# Altium PCB TAUV-Regulated_Power_board.PcbDoc (part 2 of 2)
Units mil, origin at the board's own origin, x right, y up, seen from the top; angles counter-clockwise.
Board outline 5292.66 x 3417.5 mil, 6 copper layers (1-Top, 2-GND1, 3-Signal1, 4-Hi_PWR, 5-GND2, 6-Bottom), stack 32.112 mil thick; 197 components, 89 nets, 741 pads, 274 vias.
Unrouted connection lines stored in the file: 4.
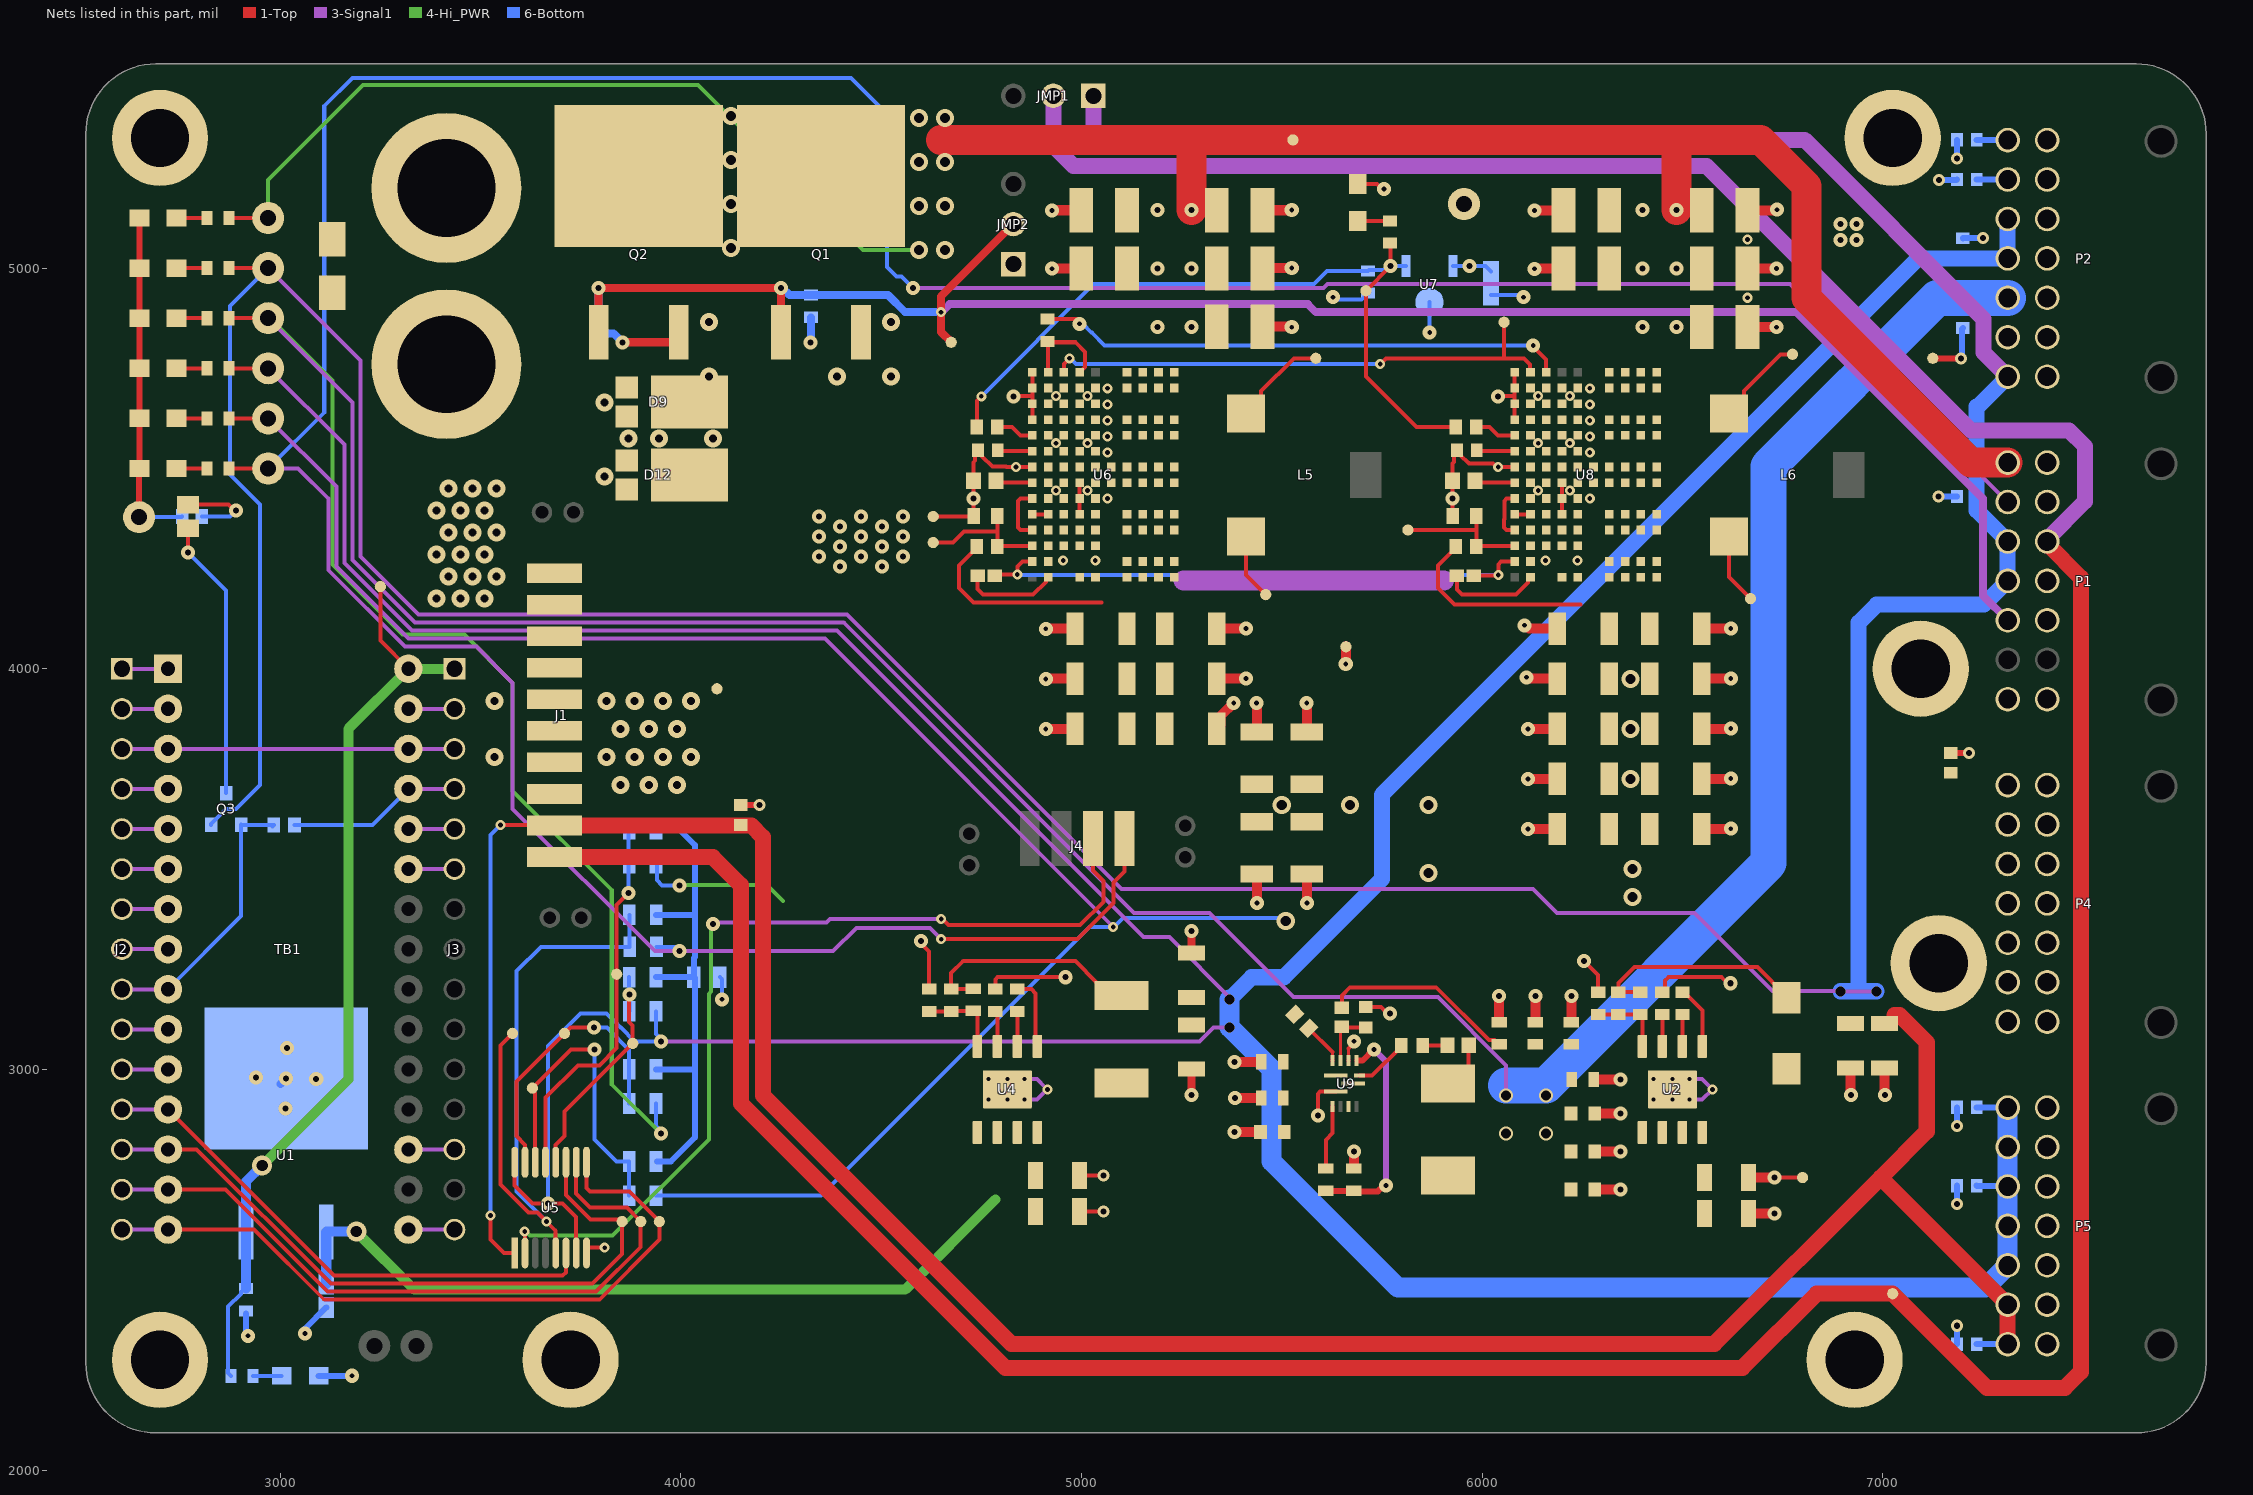
[diagram p6: the nets of this part, all layers, seen from the top]

## Via types
v1: diameter 35, hole 15, 1-Top to 6-Bottom, 82 vias
v2: diameter 25, hole 12, 1-Top to 6-Bottom, 48 vias
v3: diameter 35, hole 12, 1-Top to 6-Bottom, 44 vias
v4: diameter 45, hole 20, 1-Top to 6-Bottom, 44 vias
v5: diameter 45, hole 25, 1-Top to 6-Bottom, 22 vias
v6: diameter 20, hole 10, 1-Top to 6-Bottom, 12 vias
v7: diameter 30, hole 15, 1-Top to 6-Bottom, 12 vias
v8: diameter 25, hole 25, 1-Top to 6-Bottom, 4 vias
v9: diameter 35, hole 25, 1-Top to 6-Bottom, 4 vias
v10: diameter 50, hole 28, 1-Top to 6-Bottom, 2 vias

## Nets (pads, with @x,y where several pads share a name; then routed paths per layer and width w, separated by ;. In a path a pad name is that pad's centre, name@x,y a point inside that pad or via, vN(x,y) a via of type N, cw(c..) or ccw(c..) an arc to the next point about the centre after c; other vN are vias at no path point) (continued)
Ard_A6: J3.06 TB1.25 | length 115
  3-Signal1 w10: TB1.25@3320,3500 J3.06@3435,3500
Ard_A7: J3.05 TB1.26 | length 115
  3-Signal1 w10: TB1.26@3320,3600 J3.05@3435,3600
Ard_D0/RX: J2.02 TB1.2 | length 110
  3-Signal1 w10: J2.02@2610,3900 TB1.2@2720,3900
Ard_D1/TX: J2.01 TB1.1 | length 110
  3-Signal1 w10: J2.01@2610,4000 TB1.1@2720,4000
Ard_D2: J2.05 TB1.5 | length 110
  3-Signal1 w10: J2.05@2610,3600 TB1.5@2720,3600
Ard_D3: J2.06 TB1.6 | length 110
  3-Signal1 w10: J2.06@2610,3500 TB1.6@2720,3500
Ard_D4: J2.07 TB1.7 | length 110
  3-Signal1 w10: J2.07@2610,3400 TB1.7@2720,3400
Ard_D5: J2.08 TB1.8 | length 110
  3-Signal1 w10: J2.08@2610,3300 TB1.8@2720,3300
Ard_D6: J2.09 Q3.1 R26.1 TB1.9 | length 682.9
  3-Signal1 w10: J2.09@2610,3200 TB1.9@2720,3200
  6-Bottom w10: TB1.9@2720,3200 2902.4,3382.4 Q3.1@2902.4,3610.63 2903.03,3610 R26.1@2984.41,3610 R26.1@2981.24,3606.83
Ard_D7: J2.10 TB1.10 | length 110
  3-Signal1 w10: J2.10@2610,3100 TB1.10@2720,3100
Ard_D8: J2.11 TB1.11 | length 110
  3-Signal1 w10: J2.11@2610,3000 TB1.11@2720,3000
Ard_D13: J3.15 TB1.16 | length 115
  3-Signal1 w10: TB1.16@3320,2600 J3.15@3435,2600
Ard_RESET: J2.03 J3.03 TB1.3 TB1.28 | length 825
  3-Signal1 w10: J2.03@2610,3800 TB1.3@2720,3800 TB1.28@3320,3800 J3.03@3435,3800
EAO: C40.2 C58.2 U6.A13 U8.A13 | length 1452.5
  1-Top w10: C40.2@4783.7,4232.27 4786.43,4235 v2(4840,4235) 4840,4255 4852.52,4267.52 U6.A13@4877.52,4267.52 ; C58.2@5979.44,4232.27 v2@6040.63,4232.27 ; v2(6040.63,4234.12) 6040.63,4260.63 6047.52,4267.52 U8.A13@6081.46,4267.52
  6-Bottom w10: v2(4840,4235) 4840.44,4234.56 6040.19,4234.56 v2(6040.63,4234.12)
GND: C2.2 C3.2 C5.2 C6.2 C7.2 C8.2 C10.2 C11.2 C12.2 C13.2 C14.2 C17.2 C19.2 C20.2 C21.2 C22.1 C23.2 C24.2 C25.2 C26.2 C27.2 C28.2 C29.2 C30.2 C31.2 C32.2 C33.2 C34.2 C35.2 C36.2 C37.2 C38.2 C42.2 C43.2 C44.2 C45.2 C46.2 C47.2 C48.2 C49.2 C50.2 C51.2 C52.2 C53.2 C54.2 C55.2 C56.2 C60.1 C61.2 C62.2 C63.2 C64.2 C66.2 C67.2 C68.2 C69.2 C70.2 C71.2 C72.2 C73.1 C74.2 C75.2 C76.2 C77.2 C78.2 D2.1 D3.1 D4.1 D5.1 D6.1 D7.1 D8.1 D10.1 D11.1 J1.5 J1.6 J1.7 J1.8 J2.04 J3.02 J3.13 JMP2.1 MH1.0 MH2.0 MH3.0 MH4.0 MH5.0 MH6.0 MH7.0 P1.7 P1.8 P1.9 P1.11 P1.12 P1.14 P2.8 P2.9 P2.10 P2.11 P2.12 P2.13 P2.14 P3.1 P4.8 P4.9 P4.10 P4.11 P4.12 P4.13 P4.14 P5.8 P5.9 P5.10 P5.11 P5.12 P5.13 P5.14 R2.2 R6.2 R7.2 R29.2 R42.2 TB1.4 TB1.18 TB1.29 TP1.1 TP3.1 TP31.1 TP32.1 TP33.1 TP34.1 U1.4 U2.6 U2.8 U2.9 U4.6 U4.8 U4.9 U5.8 U6.B2 U6.B3 U6.B4 U6.B5 U6.B6 U6.B7 U6.B8 U6.B9 U6.C2 U6.C3 U6.C4 U6.C5 U6.C6 U6.C7 U6.C8 U6.C9 U6.D2 U6.D3 U6.D4 U6.D5 U6.D6 U6.D7 U6.D8 U6.D9 U6.E2 U6.E3 U6.E4 U6.E5 U6.E6 U6.E7 U6.E8 U6.E9 U6.F7 U6.F8 U6.G7 U6.G8 U6.H7 U6.H8 U6.J7 U6.J8 U6.K7 U6.K8 U7.2 U8.B2 U8.B3 U8.B4 U8.B5 U8.B6 U8.B7 U8.B8 U8.B9 U8.C2 U8.C3 U8.C4 U8.C5 U8.C6 U8.C7 U8.C8 U8.C9 U8.D2 U8.D3 U8.D4 U8.D5 U8.D6 U8.D7 U8.D8 U8.D9 U8.E2 U8.E3 U8.E4 U8.E5 U8.E6 U8.E7 U8.E8 U8.E9 U8.F7 U8.F8 U8.G7 U8.G8 U8.H7 U8.H8 U8.J7 U8.J8 U8.K7 U8.K8 U9.2 U9.10 | length 7696
  1-Top w8: U9.10@5666.57,3021.85 5666.57,3051.64
  1-Top w10: TP3.1@2647.78,4378.33 TP3.1@2666.72,4378.33 ; D3.1@2647.78,4499.04 D3.1@2648.74,4500 ; U5.8@3764.57,2541.8 3764.57,2551.97 3767.6,2555 v2(3810,2555) ; v1(4600,3320) 4600,3314.04 4620,3294.04 R6.2@4620,3200.12 ; C21.2@4785,3200.12 4785,3224.14 4790.86,3230 v1(4960,3230) ; C13.2@4995.12,2645 v7(5055,2645) ; C12.2@4995.12,2735 v7(5055,2735) ; 4995.63,4385.63 U6.D9@4995.63,4425 U6.D8@4995.63,4464.37 ; v1(5590,2885) 5590,2939.14 5595.86,2945 U9.2@5635,2945 ; U9.10@5666.5,3021.77 U9.10@5666.57,3021.85 ; 5666.57,3051.64 5680,3065.07 v3(5680,3070) ; D4.1@5690,5210.08 5738.16,5210.08 5750.74,5197.5 v3(5755,5197.5) ; R42.2@5709.87,3155.59 5747.64,3155.59 5763.24,3140 v1(5770,3140) ; 6199.57,4385.63 U8.D9@6199.57,4425 U8.D8@6199.57,4464.37 ; v1(6255,3270) 6290,3235 R2.2@6290,3192.56 ; C7.2@6450,3192.56 6456.34,3198.9 6456.34,3221.34 6465,3230 6598.24,3230 6613.24,3215 v1(6620,3215) ; v1(6730,2730) TP33.1@6800,2730 ; P2.13@7405.7,4832.35 P2.13@7410.55,4827.5
  1-Top w15: TP3.1@2647.78,4378.33 D3.1@2647.78,4499.04 ; D3.1@2648.74,4500 D5.1@2648.74,4625 D6.1@2648.74,4750 D7.1@2648.74,4875 D8.1@2648.74,5000 D2.1@2648.74,5125 ; C75.2@4150,3659.61 v7@4195.81,3659.61 ; TP34.1@7125,4775 v7(7195,4775) ; C76.2@7170.2,3789.8 v7(7216,3789.8)
  1-Top w20: MH7.0@3725,2275 MH7.0@3764.57,2314.57 ; v1(5275,2936.19) C17.2@5275,3001.07 ; C19.2@5275,3290.12 v1(5275,3345)
  1-Top w25: v3(4910.98,3849.7) 4911.48,3850.2 C31.2@4983.82,3850.2 ; v3(4910.98,3974.7) 4911.48,3975.2 C32.2@4983.82,3975.2 ; v3(4910.98,4099.7) 4911.48,4100.2 C33.2@4983.82,4100.2 ; v3(4926.71,4998.55) 4927.21,4999.05 C28.2@4999.55,4999.05 ; v3(4926.71,5144) 4927.21,5144.5 C27.2@4999.55,5144.5 ; C36.2@5337.97,3850.2 5347.13,3859.35 5347.13,3881.94 v3(5380,3914.81) ; C35.2@5337.97,3975.2 5410.31,3975.2 v3(5410.81,3975.7) ; C34.2@5337.97,4100.2 5410.31,4100.2 v3(5410.81,4100.7) ; v1(5381.97,2843.89) C62.2@5446.85,2843.89 ; v1(5382.37,3018.38) 5382.62,3018.64 5447.5,3018.64 C64.2@5447.76,3018.89 ; v1(5382.87,2928.89) C63.2@5447.76,2928.89 ; v3(5437.3,3914.81) 5437.8,3914.31 C38.2@5437.8,3841.97 ; C30.2@5437.8,3487.82 5437.8,3415.48 v3(5438.3,3414.98) ; C26.2@5452.16,4853.61 5453.43,4854.88 5519.92,4854.88 5522.29,4852.5 v3(5525,4852.5) ; C25.2@5452.16,4999.05 5453.11,5000 v3(5525,5000) v3@5530,5000 ; C24.2@5452.16,5144.5 5524.5,5144.5 v3(5525,5145) ; v3(5562.3,3914.81) 5562.8,3914.31 C37.2@5562.8,3841.97 ; C29.2@5562.8,3487.82 5562.8,3415.48 v3(5563.3,3414.98) ; v3(5659.76,4012.15) 5660,4012.39 TP32.1@5660,4055 ; C73.1@5680,2754.53 5680.19,2754.72 5680.19,2795.19 v1(5680.38,2795.38) ; C66.2@6042.89,3118.62 v1(6042.89,3183.5) ; v3(6106.22,4108.39) 6108.93,4108.39 6117.12,4100.2 C49.2@6187.76,4100.2 ; v3(6110.89,3978.72) 6113.6,3978.72 6117.12,3975.2 C50.2@6187.76,3975.2 ; v3(6114.92,3599.7) 6115.42,3600.2 C54.2@6187.76,3600.2 ; v3(6114.92,3724.7) 6115.42,3725.2 C56.2@6187.76,3725.2 ; v3(6114.92,3849.7) 6115.42,3850.2 C55.2@6187.76,3850.2 ; v3(6130.65,4998.31) 6131.15,4998.81 C46.2@6203.49,4998.81 ; v3(6130.65,5143.77) 6131.15,5144.27 C45.2@6203.49,5144.27 ; C67.2@6132.89,3118.62 v1(6132.89,3183.5) ; C68.2@6222.89,3118.62 v1(6222.89,3183.5) ; C69.2@6280.13,2975 v1(6345.01,2975) ; C72.2@6281.04,2700 v1(6345.92,2700) ; C71.2@6281.04,2795 v1(6345.92,2795) ; C70.2@6281.04,2890 v1(6345.92,2890) ; C53.2@6548.16,3600.2 6620.5,3600.2 v3(6621,3600.7) ; C52.2@6548.16,3725.2 6620.5,3725.2 v3(6621,3725.7) ; C51.2@6548.16,3850.2 6620.5,3850.2 v3(6621,3850.7) ; C48.2@6548.16,3975.2 6620.5,3975.2 v3(6621,3975.7) ; C47.2@6548.16,4100.2 6620.5,4100.2 v3(6621,4100.7) ; C42.2@6662.35,4853.34 6662.47,4853.22 6734.47,4853.22 v3(6735.19,4852.5) ; C43.2@6662.35,4998.81 6734.69,4998.81 v3(6735.19,4999.31) ; C44.2@6662.35,5144.27 6662.47,5144.39 6734.81,5144.39 v3(6736.3,5145.88) ; C2.2@6665.12,2640 v1(6730,2640) ; C3.2@6665.12,2730 v1(6730,2730) ; C5.2@6919.48,3003.7 6920,3003.17 6920,2936.71 v1(6920.52,2936.19) ; C6.2@7004.48,3003.7 7005,3003.17 7005,2936.71 v1(7005.52,2936.19)
  3-Signal1 w10: J2.04@2610,3700 TB1.4@2720,3700 ; TB1.18@3320,2800 J3.13@3435,2800 ; TB1.29@3320,3900 J3.02@3435,3900 ; v6(4767.76,2924.41) v6(4815,2924.41) v6(4858.31,2924.41) 4889.41,2924.41 4910.86,2945.86 4910.86,2954.14 4889.41,2975.59 v6(4858.31,2975.59) v6(4815,2975.59) v6(4767.76,2975.59) ; v6(6427.76,2924.41) v6(6475,2924.41) v6(6518.31,2924.41) 6549.41,2924.41 v2(6575,2950) 6549.41,2975.59 v6(6518.31,2975.59) v6(6475,2975.59) v6(6427.76,2975.59)
  6-Bottom w10: TP3.1@2647.78,4378.33 2753.72,4378.33 R7.2@2755.39,4380 ; R29.2@4097.48,3230 4102.5,3224.98 v3(4102.5,3175) ; v3(5628.16,4927.5) 5633.37,4922.29 5665.5,4922.29 5665.66,4922.13 5699.68,4922.13 C23.2@5715,4937.44 ; U7.2@5868.74,4915 5869.06,4914.69 5869.06,4839.61 v3(5869.37,4839.3) ; C22.1@6022.68,4933.33 6065.93,4933.33 6066.49,4932.76 6098.17,4932.76 v3(6103.43,4927.5)
  6-Bottom w15: C61.2@2915,2390.83 2915,2340 v3(2920,2335) ; v3(3062.3,2340.59) 3062.3,2353.15 C60.1@3115,2405.85 ; D11.1@3096.26,2235 3179.1,2235 v3(3179.35,2235.25) ; v7@7139.59,4430 C74.2@7185.39,4430 ; v7(7140,5220) 7140.6,5220.6 7184.79,5220.6 C77.2@7185.2,5221 ; v7(7185.2,5274) C78.2@7185.2,5319.8 ; C20.2@7185.39,2314.07 v7@7185.39,2359.88 ; v7@7185.39,2664.19 C10.2@7185.39,2710 ; v7@7185.39,2859.19 C8.2@7185.39,2905 ; v7(7195,4775) 7197.5,4777.5 7197.5,4847.89 C14.2@7200,4850.39 ; C11.2@7200,5074.61 7200.2,5074.8 7249.8,5074.8 v7(7250,5075)
  6-Bottom w20: U1.4@3000.89,2963.69 v1(3015,2977.8)
  other v1: 3012.8,2902.8 3090,2975.59 2940,2980 3017.2,3052.8
  other v2: 4915,2950 5065,4425 6268.94,4425 4936.26,4444.89 5015,4444.89 6140.2,4444.89 6218.94,4444.89 5065,4540 6268.94,4540 4936.26,4563 5015,4563 6140.2,4563 6218.94,4563 5065,4580 6268.94,4580 5065,4620 6268.94,4620 5065,4660 6268.94,4660 4936.26,4681.11 5015,4681.11 6140.2,4681.11 6218.94,4681.11 5065,4700 6268.94,4700 6662.35,4926.07 6662.35,5071.54
  other v4: 3850,3710 3920,3710 3990,3710 3535,3780 3815,3780 3885,3780 3955,3780 4025,3780 3850,3850 3920,3850 3990,3850 3535,3920 3815,3920 3885,3920 3955,3920 4025,3920
  other v7: 7185.59,2360.08 7185.2,2664 7185.2,2859 4196,3659.8 7139.39,4430.2
MUX_EN_L: J2.12 TB1.12 U5.6 | length 1327.3
  1-Top w10: TB1.12@2720,2900 2720,2899.85 3134.85,2485 3705,2485 3713.39,2493.39 U5.6@3713.39,2541.8
  3-Signal1 w10: J2.12@2610,2900 TB1.12@2720,2900
MUX_S0: J2.13 TB1.13 TP19.1 U5.11 | length 1744
  1-Top w10: TB1.13@2720,2800 2791.57,2800 3126.57,2465 3780,2465 3853.65,2538.65 TP19.1@3853.65,2620 3848.45,2625.2 3774.28,2625.2 3713.39,2686.09 U5.11@3713.39,2768.2
  3-Signal1 w10: J2.13@2610,2800 TB1.13@2720,2800
MUX_S1: J2.14 TB1.14 TP20.1 U5.10 | length 1774.8
  1-Top w10: TB1.14@2720,2700 2863.28,2700 3118.28,2445 3788.28,2445 3900,2556.72 TP20.1@3900,2620 3865.15,2654.85 3772.91,2654.85 3738.12,2689.64 3738.12,2767.35 U5.10@3738.98,2768.2
  3-Signal1 w10: J2.14@2610,2700 TB1.14@2720,2700
MUX_S2: J2.15 TB1.15 TP21.1 U5.9 | length 1797.2
  1-Top w10: TB1.15@2720,2600 2935,2600 3110,2425 3796.57,2425 3946.35,2574.78 TP21.1@3946.35,2620 3871.35,2695 3773.1,2695 3764.57,2703.53 U5.9@3764.57,2768.2
  3-Signal1 w10: J2.15@2610,2600 TB1.15@2720,2600
NetC1_1: C1.1 U2.2 | length 80.2
  1-Top w10: U2.2@6500,3057.28 C1.1@6500,3137.44
NetC1_2: C1.2 L2.1 U2.1 | length 158.3
  1-Top w10: C1.2@6500,3192.56 6503.94,3192.56 6550,3146.5 U2.1@6550,3057.28
NetC4_2: C4.2 R1.2 R2.1 U2.4 | length 187.2
  1-Top w10: R2.1@6290,3137.44 C4.2@6395,3137.44 6400,3132.44 U2.4@6400,3057.28
NetC7_1: C7.1 U2.3 | length 74.3
  1-Top w10: U2.3@6450,3063.19 C7.1@6450,3137.44
NetC9_1: C9.1 U4.2 | length 87.7
  1-Top w10: U4.2@4840,3057.28 C9.1@4840,3145
NetC9_2: C9.2 L4.1 U4.1 | length 184
  1-Top w10: C9.2@4840,3200.12 4874.88,3200.12 4885,3190 4885,3062.28 U4.1@4890,3057.28
NetC15_2: C15.2 R4.2 R6.1 U4.4 | length 204.3
  1-Top w10: R6.1@4620,3145 R4.2@4675,3145 4675.45,3145.45 4729.55,3145.45 C15.2@4730,3145.9 4732,3145.9 4740,3137.9 U4.4@4740,3057.28
NetC21_1: C21.1 U4.3 | length 89.8
  1-Top w10: C21.1@4785,3145 4790,3140 U4.3@4790,3057.28
NetC39_1: C39.1 U6.A6 | length 87.2
  1-Top w10: C39.1@4791.14,4545.2 4793.23,4543.11 U6.A6@4877.52,4543.11
NetC41_1: C41.1 U6.A8 | length 92.1
  1-Top w10: C41.1@4787.2,4468.76 4791.59,4464.37 U6.A8@4877.52,4464.37
NetC57_2: C57.2 U8.A6 | length 95.4
  1-Top w10: C57.2@5986.88,4545.2 5988.97,4543.11 U8.A6@6081.46,4543.11
NetC59_1: C59.1 U8.A8 | length 100.3
  1-Top w10: C59.1@5982.94,4468.76 5987.33,4464.37 U8.A8@6081.46,4464.37
NetC65_1: C65.1 R40.2 | length 61.9
  1-Top w10: R40.2@5851.57,3060 C65.1@5913.43,3060
NetC65_2: C65.2 L1.1 U9.7 | length 122.1
  1-Top w10: L1.1@5914.69,2964.68 L1.1@5915,2965 5924.07,2965 5966.57,3007.5 C65.2@5966.57,3060
NetD1_1: D1.1 R7.1 | length 217.6
  1-Top w10: D1.1@2770,4409.53 2871.41,4409.53 2885.94,4395 v1(2890,4395)
  6-Bottom w10: R7.1@2804.61,4380 2875,4380 v1(2890,4395)
NetD1_2: D1.2 Q3.3 | length 700.5
  1-Top w10: v1(2770,4290) D1.2@2770,4350.47
  6-Bottom w10: v1(2770,4290) 2865,4195 Q3.3@2865,3689.37
NetD2_2: D2.2 R8.1 | length 76.2
  1-Top w10: D2.2@2741.26,5125 R8.1@2817.44,5125
NetD3_2: D3.2 R9.1 | length 76.2
  1-Top w10: D3.2@2741.26,4500 R9.1@2817.44,4500
NetD4_2: D4.2 R36.1 | length 80
  1-Top w10: D4.2@5690,5117.56 R36.1@5770,5117.56
NetD5_2: D5.2 R11.1 | length 76.2
  1-Top w10: D5.2@2741.26,4625 R11.1@2817.44,4625
NetD6_2: D6.2 R12.1 | length 76.2
  1-Top w10: D6.2@2741.26,4750 R12.1@2817.44,4750
NetD7_2: D7.2 R13.1 | length 76.2
  1-Top w10: D7.2@2741.26,4875 R13.1@2817.44,4875
NetD8_2: D8.2 R14.1 | length 76.2
  1-Top w10: D8.2@2741.26,5000 R14.1@2817.44,5000
NetD9_2: D9.2 D12.2 Q1.3 Q2.3 R15.1 R16.1 | length 272.5
  1-Top w20: v1@3855,4815 Q2.3@3995,4815
  6-Bottom w20: R15.1@3795,4837.44 3802.16,4837.44 3802.72,4836.88 3832.42,4836.88 v1(3855,4814.31) ; v1(4324.31,4814.31) 4324.65,4814.65 R16.1@4324.65,4877.09
  other v4: 3945,4575 4080,4575 4070,4730 4390,4730 4525,4730 4070,4865 4525,4865
NetD11_2: D11.2 R37.1 | length 71.2
  6-Bottom w10: R37.1@2932.56,2235 D11.2@3003.74,2235
NetL5_1: L5.1 TP26.1 U6.G10 U6.G11 U6.H10 U6.H11 U6.J10 U6.J11 U6.K10 U6.K11 | length 165.6
  1-Top w10: L5.1@5410.83,4330.2 5410.83,4234.17 TP26.1@5460,4185
NetL5_2: L5.2 TP25.1 U6.G4 U6.G5 U6.H4 U6.H5 U6.J4 U6.J5 U6.K4 U6.K5 | length 242.1
  1-Top w10: L5.2@5410.83,4637.28 5448.67,4675.13 5448.67,4693.67 5530,4775 TP25.1@5585,4775
NetL6_1: L6.1 TP30.1 U8.G10 U8.G11 U8.H10 U8.H11 U8.J10 U8.J11 U8.K10 U8.K11 | length 177.6
  1-Top w10: L6.1@6616.02,4330.2 6616.02,4228.98 TP30.1@6670,4175
NetL6_2: L6.2 TP29.1 U8.G4 U8.G5 U8.H4 U8.H5 U8.J4 U8.J5 U8.K4 U8.K5 | length 231.1
  1-Top w10: L6.2@6616.02,4637.28 6653.67,4674.93 6653.67,4693.67 6745,4785 TP29.1@6775,4785
NetR3_2: R3.2 U6.B1 U6.D1 | length 237.3
  1-Top w10: R3.2@4915,4817.44 R3.2@4916.89,4815.55 ; U6.B1@4916.89,4739.96 R3.2@4916.89,4815.55 ; U6.D1@4995.63,4739.96 5009.17,4753.5 5009.17,4790.83 4985,4815 4917.44,4815 R3.2@4916.89,4815.55
NetR28_1: R28.1 U6.A5 | length 96
  1-Top w10: R28.1@4790.16,4603.36 4826.64,4603.36 4847.52,4582.48 U6.A5@4877.52,4582.48
NetR30_1: R30.1 R31.2 TP24.1 U6.A12 | length 335.8
  1-Top w10: TP24.1@4630,4315 4679.01,4315 4707.14,4343.14 4790.16,4343.14 ; R31.2@4790.16,4381.07 4790.16,4343.14 ; U6.A12@4877.52,4306.89 4791.85,4306.89 R30.1@4790.16,4305.2 4790.16,4343.14
NetR33_1: R33.1 U8.A5 | length 104.2
  1-Top w10: R33.1@5985.9,4603.36 6018.83,4603.36 6039.7,4582.48 U8.A5@6081.46,4582.48
NetR34_1: R34.1 R35.2 TP27.1 U8.A12 | length 343
  1-Top w10: TP27.1@5815,4346.26 5985.9,4346.26 ; R35.2@5985.9,4381.07 5985.9,4346.26 ; U8.A12@6081.46,4306.89 5987.59,4306.89 R34.1@5985.9,4305.2 5985.9,4346.26
NetR38_2: R38.2 U9.12 | length 105.6
  1-Top w8: U9.12@5627.05,3021.85 5627.05,3042.95
  1-Top w10: R38.2@5567.4,3102.6 5627.05,3042.95 ; U9.12@5627.05,3021.85 U9.12@5627.13,3021.77
NetR39_1: R39.1 U9.3 | length 161.1
  1-Top w10: R39.1@5610,2753.54 5610,2824.02 5627.13,2841.14 U9.3@5627.13,2907.6
NetR40_1: R40.1 U9.8 | length 137.4
  1-Top w10: U9.8@5694.06,2984.37 5725.75,2984.37 5798.43,3057.05 R40.1@5798.43,3060
NetR41_2: R41.2 R42.1 U9.11 | length 141.4
  1-Top w8: U9.11@5646.81,3021.77 R41.2@5646.81,3098.19
  1-Top w10: R41.2@5646.81,3098.19 R41.2@5650,3101.38 ; R41.2@5650,3106.38 5651.38,3105 R42.1@5709.87,3105
NetU6_A9: U6.A9 U6.A11 | length 143.2
  1-Top w10: U6.A11@4877.52,4346.26 4847.69,4346.26 4841.83,4352.12 4841.83,4419.14 4847.69,4425 U6.A9@4877.52,4425
NetU8_A9: U8.A9 U8.A11 | length 124.4
  1-Top w10: U8.A11@6081.46,4346.26 6060.86,4346.26 6055,4352.12 6055,4372.72 6055.63,4373.35 6055.63,4419.14 6061.49,4425 U8.A9@6081.46,4425
REED_P: JMP2.2 P1.5 Q1.1 Q2.1 R15.2 R16.2 TP18.1 | length 4690.8
  1-Top w20: Q2.1@3795,4815 Q2.1@3795,4840 v1(3795,4950) v1(4250,4950) ; Q1.1@4250,4840 v1@4250,4940 ; TP18.1@4675,4815.59 4649.76,4840.82 v2(4649.76,4890) 4649.76,4929.76 JMP2.2@4830,5110
  3-Signal1 w20: v2(4649.76,4890) 4651.12,4890 4671.12,4910 5565,4910 5585,4890 6785,4890 7250,4425 7250,4183.05 P1.5@7312.13,4120.92
  6-Bottom w20: R15.2@3795,4892.56 v1(3795,4950) ; v1(4250,4950) 4254.06,4950 4271.5,4932.56 R16.2@4325,4932.56 4517.44,4932.56 4560,4890 v2(4649.76,4890)
Sense_COM: R20.1 R21.1 R22.1 R23.1 R25.1 R29.1 | length 1252.5
  6-Bottom w15: R21.1@3938.25,3000 4032.05,3000 4035,2997.05 ; R22.1@3938.25,3230 R29.1@4032.52,3230 ; R20.1@3938.25,3600 3995,3600 4035,3560 4035,3385.88 ; R25.1@3938.5,3385.88 4033.95,3385.88 4035,3384.83 4035,3280.5 4032.52,3278.02 R29.1@4032.52,3230 ; R23.1@3940.88,2770 3975,2770 4035,2830 4035,2997.05 ; R29.1@4032.52,3230 4035,3227.52 4035,2997.05
SERV_VCC: C73.2 R39.2 U9.9 | length 561.6
  1-Top w15: R39.2@5610,2696.46 5610.49,2695.96 5679.51,2695.96 5680,2695.47 5740.06,2695.47 5754.59,2710 v3(5760,2710) ; U9.9@5689.07,3021.85 5689.25,3021.68 5701.68,3021.68 v3(5730,3050)
  3-Signal1 w15: v3(5730,3050) 5760,3020 v3(5760,2710)
SGND: C39.2 C40.1 C41.2 C57.1 C58.1 C59.2 R31.1 R35.1 TP23.1 U6.A1 U6.A2 U6.A3 U6.A4 U6.A7 U6.A10 U6.B10 U6.B11 U6.B12 U6.B13 U6.B14 U6.C10 U6.C11 U6.C12 U6.D10 U6.D11 U6.D12 U6.D14 U6.E10 U6.E11 U6.E12 U6.E14 U8.A1 U8.A2 U8.A3 U8.A4 U8.A7 U8.A10 U8.B10 U8.B11 U8.B12 U8.B13 U8.B14 U8.C10 U8.C11 U8.C12 U8.D10 U8.D11 U8.D12 U8.D14 U8.E10 U8.E11 U8.E12 U8.E14 | length 2304.1
  1-Top w10: TP23.1@4630,4380 4730.03,4380 R31.1@4731.1,4381.07 v1(4731.1,4425.41) 4731.1,4469.74 C41.2@4730.12,4470.73 ; C41.2@4730.12,4468.76 4730.12,4515.12 4734.71,4519.71 4734.71,4537.98 4739.39,4542.66 C39.2@4741.93,4545.2 4751.69,4535.43 4751.69,4530.35 4777.61,4504.43 4812.12,4504.43 4812.81,4503.74 U6.A7@4877.52,4503.74 ; C40.1@4741.14,4232.27 4741.14,4198.62 4754.57,4185.2 4879.66,4185.2 4911.06,4216.6 4911.06,4222.32 U6.B14@4916.89,4228.15 ; v1(4830,4680) 4830.91,4680.91 4877.52,4680.91 ; U6.A10@4877.52,4385.63 U6.B10@4916.89,4385.63 ; U6.A4@4877.52,4621.85 U6.A3@4877.52,4661.22 4877.52,4680.91 ; U6.A1@4878.07,4739.42 U6.A1@4877.52,4739.96 U6.A2@4877.52,4700.59 4877.52,4680.91 ; R35.1@5926.84,4385.01 R35.1@5926.84,4381.07 5925.86,4382.06 v1(5925.86,4425.41) C59.2@5925.86,4468.76 5925.86,4511.89 5929.86,4515.9 5929.86,4533.46 5947.43,4533.46 5937.67,4543.23 C57.1@5937.67,4545.2 ; C58.1@5936.88,4232.27 5936.88,4197.88 5949.57,4185.2 6084.65,4185.2 6115,4215.55 6115,4222.32 U8.B14@6120.83,4228.15 ; C57.1@5946.67,4532.7 5965.9,4513.46 5967.43,4513.46 5968.01,4512.88 6027.06,4512.88 6036.24,4503.7 v2(6040.3,4503.7) ; v1(6040,4680) 6040.91,4680.91 6081.46,4680.91 ; v2(6040.3,4503.7) U8.A7@6081.46,4503.74 ; U8.A10@6081.46,4385.63 U8.B10@6120.83,4385.63 ; U8.A4@6081.46,4621.85 U8.A3@6081.46,4661.22 6081.46,4680.91 ; U8.A1@6081.46,4739.96 U8.A2@6081.46,4700.59 6081.46,4680.91
  3-Signal1 w50: 5255,4220 5905,4220
  other v2: 4954.57,4270.2 5034.57,4270.2 6158.5,4270.2 6238.5,4270.2 4836.36,4503.7
THRST_EN: J1.10 JMP1.2 P1.10 TP17.1 | length 10242.6
  1-Top w40: J1.10@3685,3530.08 4079.92,3530.08 4150,3460 4150,2915 4810,2255 6650,2255 6835,2440 TP17.1@7025,2440 7260,2205 7455,2205 7495,2245 7495,4227.53 7410.55,4311.98 P1.10@7410.55,4317.77